# Altium PCB PM12_CFD.PcbDoc (part 10 of 12) (continued)
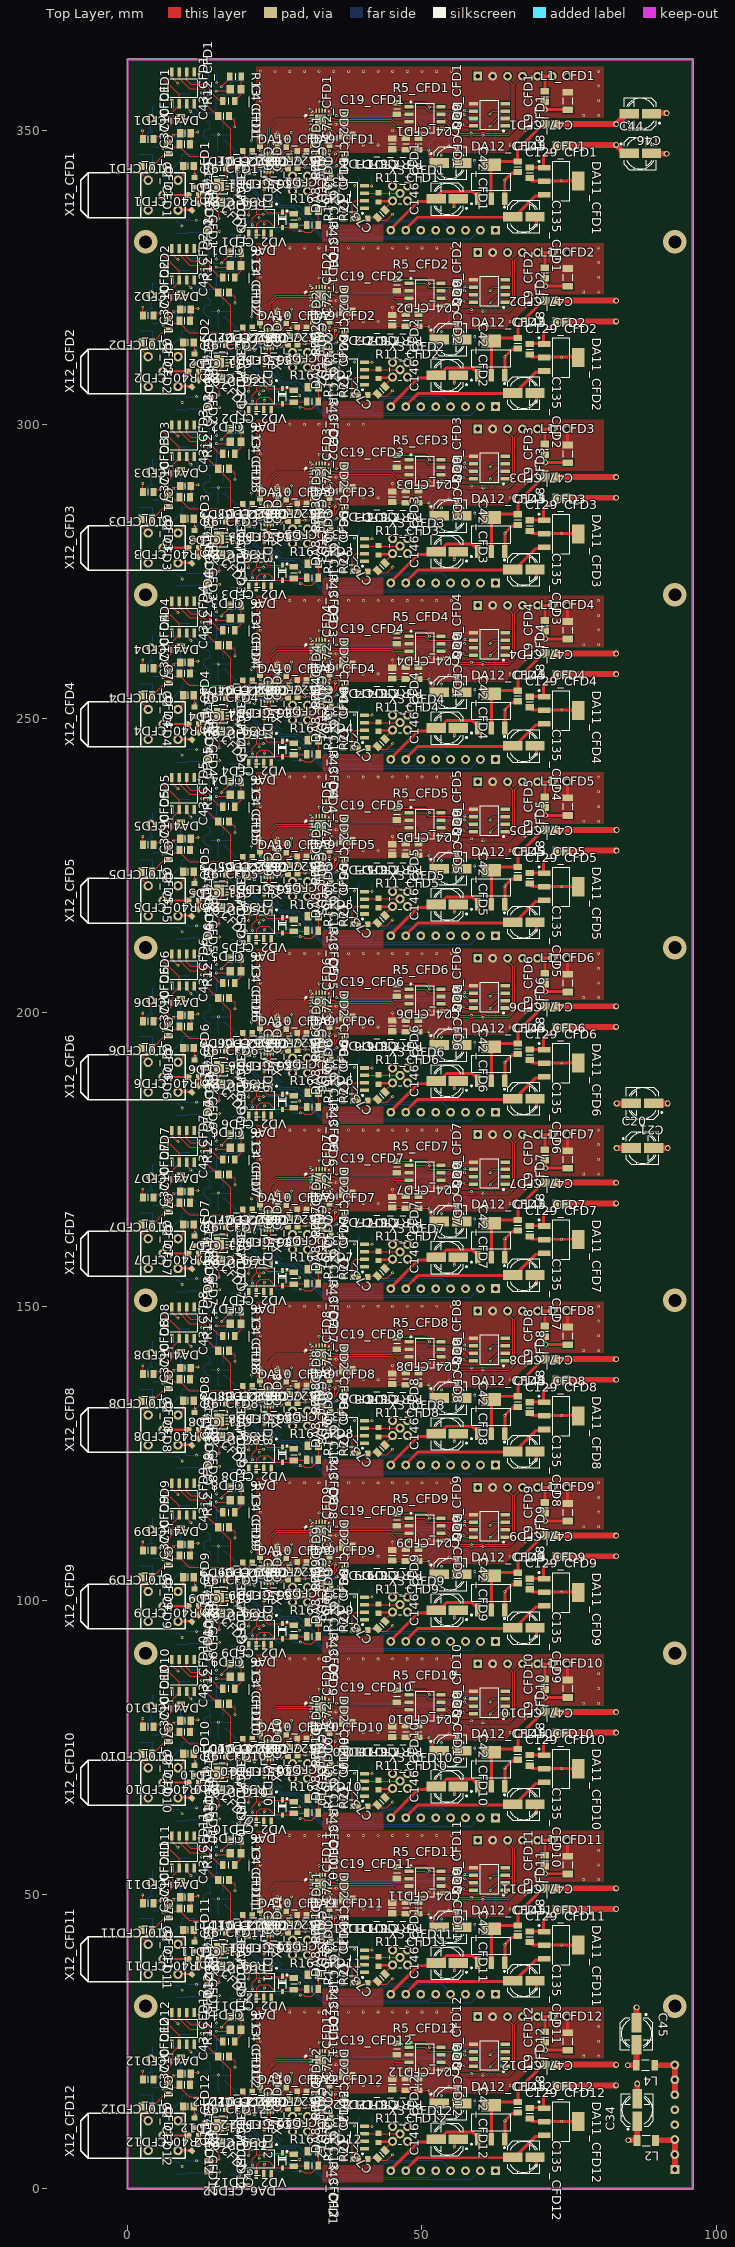
[diagram p0: Top Layer view]
## Nets (pads, with @x,y where several pads share a name; then routed paths per layer and width w, separated by ;. In a path a pad name is that pad's centre, name@x,y a point inside that pad or via, vN(x,y) a via of type N, cw(c..) or ccw(c..) an arc to the next point about the centre after c; other vN are vias at no path point) (continued)
  Bottom Layer w0.2: DA3_CFD4.5@16.2,258.3 16.48,258.3 18.4,256.38 v1(18.4,253.6) v1(18.4,249.9)
P2V5_CFD5: C3_CFD5.2 C7_CFD5.2 DA3_CFD5.5 DA7_CFD5.6 DA7_CFD5.8 | length 14.9
  Top Layer w0.2: DA7_CFD5.6@16.9,220.45 17.35,220.45 17.9,219.9 v1(18.4,219.9) ; DA7_CFD5.8@16.9,221.45 16.9,223.6 17,223.7 17.1,223.6 v1(18.4,223.6)
  Bottom Layer w0.2: DA3_CFD5.5@16.2,228.3 16.48,228.3 18.4,226.38 v1(18.4,223.6) v1(18.4,219.9)
P2V5_CFD6: C3_CFD6.2 C7_CFD6.2 DA3_CFD6.5 DA7_CFD6.6 DA7_CFD6.8 | length 14.9
  Top Layer w0.2: DA7_CFD6.6@16.9,190.45 17.35,190.45 17.9,189.9 v1(18.4,189.9) ; DA7_CFD6.8@16.9,191.45 16.9,193.6 17,193.7 17.1,193.6 v1(18.4,193.6)
  Bottom Layer w0.2: DA3_CFD6.5@16.2,198.3 16.48,198.3 18.4,196.38 v1(18.4,193.6) v1(18.4,189.9)
P2V5_CFD7: C3_CFD7.2 C7_CFD7.2 DA3_CFD7.5 DA7_CFD7.6 DA7_CFD7.8 | length 14.9
  Top Layer w0.2: DA7_CFD7.6@16.9,160.45 17.35,160.45 17.9,159.9 v1(18.4,159.9) ; DA7_CFD7.8@16.9,161.45 16.9,163.6 17,163.7 17.1,163.6 v1(18.4,163.6)
  Bottom Layer w0.2: DA3_CFD7.5@16.2,168.3 16.48,168.3 18.4,166.38 v1(18.4,163.6) v1(18.4,159.9)
P2V5_CFD8: C3_CFD8.2 C7_CFD8.2 DA3_CFD8.5 DA7_CFD8.6 DA7_CFD8.8 | length 14.9
  Top Layer w0.2: DA7_CFD8.6@16.9,130.45 17.35,130.45 17.9,129.9 v1(18.4,129.9) ; DA7_CFD8.8@16.9,131.45 16.9,133.6 17,133.7 17.1,133.6 v1(18.4,133.6)
  Bottom Layer w0.2: DA3_CFD8.5@16.2,138.3 16.48,138.3 18.4,136.38 v1(18.4,133.6) v1(18.4,129.9)
P2V5_CFD9: C3_CFD9.2 C7_CFD9.2 DA3_CFD9.5 DA7_CFD9.6 DA7_CFD9.8 | length 14.9
  Top Layer w0.2: DA7_CFD9.6@16.9,100.45 17.35,100.45 17.9,99.9 v1(18.4,99.9) ; DA7_CFD9.8@16.9,101.45 16.9,103.6 17,103.7 17.1,103.6 v1(18.4,103.6)
  Bottom Layer w0.2: DA3_CFD9.5@16.2,108.3 16.48,108.3 18.4,106.38 v1(18.4,103.6) v1(18.4,99.9)
P2V5_CFD10: C3_CFD10.2 C7_CFD10.2 DA3_CFD10.5 DA7_CFD10.6 DA7_CFD10.8 | length 14.9
  Top Layer w0.2: DA7_CFD10.6@16.9,70.45 17.35,70.45 17.9,69.9 v1(18.4,69.9) ; DA7_CFD10.8@16.9,71.45 16.9,73.6 17,73.7 17.1,73.6 v1(18.4,73.6)
  Bottom Layer w0.2: DA3_CFD10.5@16.2,78.3 16.48,78.3 18.4,76.38 v1(18.4,73.6) v1(18.4,69.9)
P2V5_CFD11: C3_CFD11.2 C7_CFD11.2 DA3_CFD11.5 DA7_CFD11.6 DA7_CFD11.8 | length 14.9
  Top Layer w0.2: DA7_CFD11.6@16.9,40.45 17.35,40.45 17.9,39.9 v1(18.4,39.9) ; DA7_CFD11.8@16.9,41.45 16.9,43.6 17,43.7 17.1,43.6 v1(18.4,43.6)
  Bottom Layer w0.2: DA3_CFD11.5@16.2,48.3 16.48,48.3 18.4,46.38 v1(18.4,43.6) v1(18.4,39.9)
P2V5_CFD12: C3_CFD12.2 C7_CFD12.2 DA3_CFD12.5 DA7_CFD12.6 DA7_CFD12.8 | length 14.9
  Top Layer w0.2: DA7_CFD12.6@16.9,10.45 17.35,10.45 17.9,9.9 v1(18.4,9.9) ; DA7_CFD12.8@16.9,11.45 16.9,13.6 17,13.7 17.1,13.6 v1(18.4,13.6)
  Bottom Layer w0.2: DA3_CFD12.5@16.2,18.3 16.48,18.3 18.4,16.38 v1(18.4,13.6) v1(18.4,9.9)
P3V3_CFD1: C19_CFD1.2 C22_CFD1.1 C23_CFD1.2 C24_CFD1.2 C25_CFD1.2 C26_CFD1.2 C27_CFD1.2 C29_CFD1.2 C32_CFD1.2 C47_CFD1.2 DA9_CFD1.9 DA9_CFD1.12 DA10_CFD1.9 DA10_CFD1.12 DA13_CFD1.4 DD2_CFD1.12 DD8_CFD1.8 DD9_CFD1.8 L1_CFD1.1 R5_CFD1.2 R20_CFD1.1 R29_CFD1.1 | length 36.8
  Top Layer w0.2: C23_CFD1.2@22.47,347.424 v1(22.47,346.55) 23.02,346 DA10_CFD1.12@23.22,346 ; DA10_CFD1.9@24.72,346 25.22,346.5 v1(25.37,346.5) C32_CFD1.2@25.37,347.05 ; C27_CFD1.2@31.37,347.4 v1(31.37,346.5) 31.87,346 DA9_CFD1.12@32.07,346 ; DA9_CFD1.9@33.57,346 33.77,346 v1(34.27,346.5) C25_CFD1.2@34.27,347.424 ; DD2_CFD1.12@34.27,352.53 v1@35.39,352.53 ; v1(35.42,352.5) 36.582,352.5 C19_CFD1.2@36.8,352.718 ; R5_CFD1.2@45.67,354.7 50.512,354.7 v1(51.255,353.956) DD8_CFD1.8@52.985,353.956 ; C24_CFD1.2@55.77,352.3 55.77,352.2 v1(56.97,351) 57.27,350.7 58.928,350.7 DD9_CFD1.8@58.955,350.727
  Top Layer w0.5: L1_CFD1.1@70.9,354.7 70.93,354.67 70.9,354.64 v2(70.9,353.5) C47_CFD1.2@74.7,353.5
  Bottom Layer w0.2: R20_CFD1.1@34.02,347.6 34.02,346.75 v1(34.27,346.5) ; C26_CFD1.2@49.685,353.286 50.585,353.286 v1(51.255,353.956)
  Bottom Layer w0.25: R29_CFD1.1@51.27,342.4 52.67,343.8 DA13_CFD1.4@53.274,343.8 ; C29_CFD1.2@53.274,341.6 DA13_CFD1.4@53.274,343.8 ; v1(53.274,345.8) DA13_CFD1.4@53.274,343.8 ; C22_CFD1.1@58.955,343.95 v1(58.955,344.9)
P3V3_CFD2: C19_CFD2.2 C22_CFD2.1 C23_CFD2.2 C24_CFD2.2 C25_CFD2.2 C26_CFD2.2 C27_CFD2.2 C29_CFD2.2 C32_CFD2.2 C47_CFD2.2 DA9_CFD2.9 DA9_CFD2.12 DA10_CFD2.9 DA10_CFD2.12 DA13_CFD2.4 DD2_CFD2.12 DD8_CFD2.8 DD9_CFD2.8 L1_CFD2.1 R5_CFD2.2 R20_CFD2.1 R29_CFD2.1 | length 36.8
  Top Layer w0.2: C23_CFD2.2@22.5,317.424 v1(22.5,316.55) 23.05,316 DA10_CFD2.12@23.25,316 ; DA10_CFD2.9@24.75,316 25.25,316.5 v1(25.4,316.5) C32_CFD2.2@25.4,317.05 ; C27_CFD2.2@31.4,317.4 v1(31.4,316.5) 31.9,316 DA9_CFD2.12@32.1,316 ; DA9_CFD2.9@33.6,316 33.8,316 v1(34.3,316.5) C25_CFD2.2@34.3,317.424 ; DD2_CFD2.12@34.3,322.53 v1@35.42,322.53 ; v1(35.45,322.5) 36.612,322.5 C19_CFD2.2@36.83,322.718 ; R5_CFD2.2@45.7,324.7 50.542,324.7 v1(51.285,323.956) DD8_CFD2.8@53.015,323.956 ; C24_CFD2.2@55.8,322.3 55.8,322.2 v1(57,321) 57.3,320.7 58.958,320.7 DD9_CFD2.8@58.985,320.727
  Top Layer w0.5: L1_CFD2.1@70.93,324.7 70.96,324.67 70.93,324.64 v2(70.93,323.5) C47_CFD2.2@74.73,323.5
  Bottom Layer w0.2: R20_CFD2.1@34.05,317.6 34.05,316.75 v1(34.3,316.5) ; C26_CFD2.2@49.715,323.286 50.615,323.286 v1(51.285,323.956)
  Bottom Layer w0.25: R29_CFD2.1@51.3,312.4 52.7,313.8 DA13_CFD2.4@53.304,313.8 ; C29_CFD2.2@53.304,311.6 DA13_CFD2.4@53.304,313.8 ; v1(53.304,315.8) DA13_CFD2.4@53.304,313.8 ; C22_CFD2.1@58.985,313.95 v1(58.985,314.9)
  other v5: 70.93,323.5
P3V3_CFD3: C19_CFD3.2 C22_CFD3.1 C23_CFD3.2 C24_CFD3.2 C25_CFD3.2 C26_CFD3.2 C27_CFD3.2 C29_CFD3.2 C32_CFD3.2 C47_CFD3.2 DA9_CFD3.9 DA9_CFD3.12 DA10_CFD3.9 DA10_CFD3.12 DA13_CFD3.4 DD2_CFD3.12 DD8_CFD3.8 DD9_CFD3.8 L1_CFD3.1 R5_CFD3.2 R20_CFD3.1 R29_CFD3.1 | length 36.8
  Top Layer w0.2: C23_CFD3.2@22.5,287.424 v1(22.5,286.55) 23.05,286 DA10_CFD3.12@23.25,286 ; DA10_CFD3.9@24.75,286 25.25,286.5 v1(25.4,286.5) C32_CFD3.2@25.4,287.05 ; C27_CFD3.2@31.4,287.4 v1(31.4,286.5) 31.9,286 DA9_CFD3.12@32.1,286 ; DA9_CFD3.9@33.6,286 33.8,286 v1(34.3,286.5) C25_CFD3.2@34.3,287.424 ; DD2_CFD3.12@34.3,292.53 v1@35.42,292.53 ; v1(35.45,292.5) 36.612,292.5 C19_CFD3.2@36.83,292.718 ; R5_CFD3.2@45.7,294.7 50.542,294.7 v1(51.285,293.956) DD8_CFD3.8@53.015,293.956 ; C24_CFD3.2@55.8,292.3 55.8,292.2 v1(57,291) 57.3,290.7 58.958,290.7 DD9_CFD3.8@58.985,290.727
  Top Layer w0.5: L1_CFD3.1@70.93,294.7 70.96,294.67 70.93,294.64 v2(70.93,293.5) C47_CFD3.2@74.73,293.5
  Bottom Layer w0.2: R20_CFD3.1@34.05,287.6 34.05,286.75 v1(34.3,286.5) ; C26_CFD3.2@49.715,293.286 50.615,293.286 v1(51.285,293.956)
  Bottom Layer w0.25: R29_CFD3.1@51.3,282.4 52.7,283.8 DA13_CFD3.4@53.304,283.8 ; C29_CFD3.2@53.304,281.6 DA13_CFD3.4@53.304,283.8 ; v1(53.304,285.8) DA13_CFD3.4@53.304,283.8 ; C22_CFD3.1@58.985,283.95 v1(58.985,284.9)
P3V3_CFD4: C19_CFD4.2 C22_CFD4.1 C23_CFD4.2 C24_CFD4.2 C25_CFD4.2 C26_CFD4.2 C27_CFD4.2 C29_CFD4.2 C32_CFD4.2 C47_CFD4.2 DA9_CFD4.9 DA9_CFD4.12 DA10_CFD4.9 DA10_CFD4.12 DA13_CFD4.4 DD2_CFD4.12 DD8_CFD4.8 DD9_CFD4.8 L1_CFD4.1 R5_CFD4.2 R20_CFD4.1 R29_CFD4.1 | length 36.8
  Top Layer w0.2: C23_CFD4.2@22.5,257.424 v1(22.5,256.55) 23.05,256 DA10_CFD4.12@23.25,256 ; DA10_CFD4.9@24.75,256 25.25,256.5 v1(25.4,256.5) C32_CFD4.2@25.4,257.05 ; C27_CFD4.2@31.4,257.4 v1(31.4,256.5) 31.9,256 DA9_CFD4.12@32.1,256 ; DA9_CFD4.9@33.6,256 33.8,256 v1(34.3,256.5) C25_CFD4.2@34.3,257.424 ; DD2_CFD4.12@34.3,262.53 v1@35.42,262.53 ; v1(35.45,262.5) 36.612,262.5 C19_CFD4.2@36.83,262.718 ; R5_CFD4.2@45.7,264.7 50.542,264.7 v1(51.285,263.956) DD8_CFD4.8@53.015,263.956 ; C24_CFD4.2@55.8,262.3 55.8,262.2 v1(57,261) 57.3,260.7 58.958,260.7 DD9_CFD4.8@58.985,260.727
  Top Layer w0.5: L1_CFD4.1@70.93,264.7 70.96,264.67 70.93,264.64 v2(70.93,263.5) C47_CFD4.2@74.73,263.5
  Bottom Layer w0.2: R20_CFD4.1@34.05,257.6 34.05,256.75 v1(34.3,256.5) ; C26_CFD4.2@49.715,263.286 50.615,263.286 v1(51.285,263.956)
  Bottom Layer w0.25: R29_CFD4.1@51.3,252.4 52.7,253.8 DA13_CFD4.4@53.304,253.8 ; C29_CFD4.2@53.304,251.6 DA13_CFD4.4@53.304,253.8 ; v1(53.304,255.8) DA13_CFD4.4@53.304,253.8 ; C22_CFD4.1@58.985,253.95 v1(58.985,254.9)
  other v5: 70.93,263.5
P3V3_CFD5: C19_CFD5.2 C22_CFD5.1 C23_CFD5.2 C24_CFD5.2 C25_CFD5.2 C26_CFD5.2 C27_CFD5.2 C29_CFD5.2 C32_CFD5.2 C47_CFD5.2 DA9_CFD5.9 DA9_CFD5.12 DA10_CFD5.9 DA10_CFD5.12 DA13_CFD5.4 DD2_CFD5.12 DD8_CFD5.8 DD9_CFD5.8 L1_CFD5.1 R5_CFD5.2 R20_CFD5.1 R29_CFD5.1 | length 36.8
  Top Layer w0.2: C23_CFD5.2@22.5,227.424 v1(22.5,226.55) 23.05,226 DA10_CFD5.12@23.25,226 ; DA10_CFD5.9@24.75,226 25.25,226.5 v1(25.4,226.5) C32_CFD5.2@25.4,227.05 ; C27_CFD5.2@31.4,227.4 v1(31.4,226.5) 31.9,226 DA9_CFD5.12@32.1,226 ; DA9_CFD5.9@33.6,226 33.8,226 v1(34.3,226.5) C25_CFD5.2@34.3,227.424 ; DD2_CFD5.12@34.3,232.53 v1@35.42,232.53 ; v1(35.45,232.5) 36.612,232.5 C19_CFD5.2@36.83,232.718 ; R5_CFD5.2@45.7,234.7 50.542,234.7 v1(51.285,233.956) DD8_CFD5.8@53.015,233.956 ; C24_CFD5.2@55.8,232.3 55.8,232.2 v1(57,231) 57.3,230.7 58.958,230.7 DD9_CFD5.8@58.985,230.727
  Top Layer w0.5: L1_CFD5.1@70.93,234.7 70.96,234.67 70.93,234.64 v2(70.93,233.5) C47_CFD5.2@74.73,233.5
  Bottom Layer w0.2: R20_CFD5.1@34.05,227.6 34.05,226.75 v1(34.3,226.5) ; C26_CFD5.2@49.715,233.286 50.615,233.286 v1(51.285,233.956)
  Bottom Layer w0.25: R29_CFD5.1@51.3,222.4 52.7,223.8 DA13_CFD5.4@53.304,223.8 ; C29_CFD5.2@53.304,221.6 DA13_CFD5.4@53.304,223.8 ; v1(53.304,225.8) DA13_CFD5.4@53.304,223.8 ; C22_CFD5.1@58.985,223.95 v1(58.985,224.9)
  other v5: 70.93,233.5
P3V3_CFD6: C19_CFD6.2 C22_CFD6.1 C23_CFD6.2 C24_CFD6.2 C25_CFD6.2 C26_CFD6.2 C27_CFD6.2 C29_CFD6.2 C32_CFD6.2 C47_CFD6.2 DA9_CFD6.9 DA9_CFD6.12 DA10_CFD6.9 DA10_CFD6.12 DA13_CFD6.4 DD2_CFD6.12 DD8_CFD6.8 DD9_CFD6.8 L1_CFD6.1 R5_CFD6.2 R20_CFD6.1 R29_CFD6.1 | length 36.8
  Top Layer w0.2: C23_CFD6.2@22.5,197.424 v1(22.5,196.55) 23.05,196 DA10_CFD6.12@23.25,196 ; DA10_CFD6.9@24.75,196 25.25,196.5 v1(25.4,196.5) C32_CFD6.2@25.4,197.05 ; C27_CFD6.2@31.4,197.4 v1(31.4,196.5) 31.9,196 DA9_CFD6.12@32.1,196 ; DA9_CFD6.9@33.6,196 33.8,196 v1(34.3,196.5) C25_CFD6.2@34.3,197.424 ; DD2_CFD6.12@34.3,202.53 v1@35.42,202.53 ; v1(35.45,202.5) 36.612,202.5 C19_CFD6.2@36.83,202.718 ; R5_CFD6.2@45.7,204.7 50.542,204.7 v1(51.285,203.956) DD8_CFD6.8@53.015,203.956 ; C24_CFD6.2@55.8,202.3 55.8,202.2 v1(57,201) 57.3,200.7 58.958,200.7 DD9_CFD6.8@58.985,200.727
  Top Layer w0.5: L1_CFD6.1@70.93,204.7 70.96,204.67 70.93,204.64 v2(70.93,203.5) C47_CFD6.2@74.73,203.5
  Bottom Layer w0.2: R20_CFD6.1@34.05,197.6 34.05,196.75 v1(34.3,196.5) ; C26_CFD6.2@49.715,203.286 50.615,203.286 v1(51.285,203.956)
  Bottom Layer w0.25: R29_CFD6.1@51.3,192.4 52.7,193.8 DA13_CFD6.4@53.304,193.8 ; C29_CFD6.2@53.304,191.6 DA13_CFD6.4@53.304,193.8 ; v1(53.304,195.8) DA13_CFD6.4@53.304,193.8 ; C22_CFD6.1@58.985,193.95 v1(58.985,194.9)
  other v5: 70.93,203.5
P3V3_CFD7: C19_CFD7.2 C22_CFD7.1 C23_CFD7.2 C24_CFD7.2 C25_CFD7.2 C26_CFD7.2 C27_CFD7.2 C29_CFD7.2 C32_CFD7.2 C47_CFD7.2 DA9_CFD7.9 DA9_CFD7.12 DA10_CFD7.9 DA10_CFD7.12 DA13_CFD7.4 DD2_CFD7.12 DD8_CFD7.8 DD9_CFD7.8 L1_CFD7.1 R5_CFD7.2 R20_CFD7.1 R29_CFD7.1 | length 36.8
  Top Layer w0.2: C23_CFD7.2@22.5,167.424 v1(22.5,166.55) 23.05,166 DA10_CFD7.12@23.25,166 ; DA10_CFD7.9@24.75,166 25.25,166.5 v1(25.4,166.5) C32_CFD7.2@25.4,167.05 ; C27_CFD7.2@31.4,167.4 v1(31.4,166.5) 31.9,166 DA9_CFD7.12@32.1,166 ; DA9_CFD7.9@33.6,166 33.8,166 v1(34.3,166.5) C25_CFD7.2@34.3,167.424 ; DD2_CFD7.12@34.3,172.53 v1@35.42,172.53 ; v1(35.45,172.5) 36.612,172.5 C19_CFD7.2@36.83,172.718 ; R5_CFD7.2@45.7,174.7 50.542,174.7 v1(51.285,173.956) DD8_CFD7.8@53.015,173.956 ; C24_CFD7.2@55.8,172.3 55.8,172.2 v1(57,171) 57.3,170.7 58.958,170.7 DD9_CFD7.8@58.985,170.727
  Top Layer w0.5: L1_CFD7.1@70.93,174.7 70.96,174.67 70.93,174.64 v5(70.93,173.5) C47_CFD7.2@74.73,173.5
  Bottom Layer w0.2: R20_CFD7.1@34.05,167.6 34.05,166.75 v1(34.3,166.5) ; C26_CFD7.2@49.715,173.286 50.615,173.286 v1(51.285,173.956)
  Bottom Layer w0.25: R29_CFD7.1@51.3,162.4 52.7,163.8 DA13_CFD7.4@53.304,163.8 ; C29_CFD7.2@53.304,161.6 DA13_CFD7.4@53.304,163.8 ; v1(53.304,165.8) DA13_CFD7.4@53.304,163.8 ; C22_CFD7.1@58.985,163.95 v1(58.985,164.9)
  other v2: 70.93,173.5
P3V3_CFD8: C19_CFD8.2 C22_CFD8.1 C23_CFD8.2 C24_CFD8.2 C25_CFD8.2 C26_CFD8.2 C27_CFD8.2 C29_CFD8.2 C32_CFD8.2 C47_CFD8.2 DA9_CFD8.9 DA9_CFD8.12 DA10_CFD8.9 DA10_CFD8.12 DA13_CFD8.4 DD2_CFD8.12 DD8_CFD8.8 DD9_CFD8.8 L1_CFD8.1 R5_CFD8.2 R20_CFD8.1 R29_CFD8.1 | length 36.8
  Top Layer w0.2: C23_CFD8.2@22.5,137.424 v1(22.5,136.55) 23.05,136 DA10_CFD8.12@23.25,136 ; DA10_CFD8.9@24.75,136 25.25,136.5 v1(25.4,136.5) C32_CFD8.2@25.4,137.05 ; C27_CFD8.2@31.4,137.4 v1(31.4,136.5) 31.9,136 DA9_CFD8.12@32.1,136 ; DA9_CFD8.9@33.6,136 33.8,136 v1(34.3,136.5) C25_CFD8.2@34.3,137.424 ; DD2_CFD8.12@34.3,142.53 v1@35.42,142.53 ; v1(35.45,142.5) 36.612,142.5 C19_CFD8.2@36.83,142.718 ; R5_CFD8.2@45.7,144.7 50.542,144.7 v1(51.285,143.956) DD8_CFD8.8@53.015,143.956 ; C24_CFD8.2@55.8,142.3 55.8,142.2 v1(57,141) 57.3,140.7 58.958,140.7 DD9_CFD8.8@58.985,140.727
  Top Layer w0.5: L1_CFD8.1@70.93,144.7 70.96,144.67 70.93,144.64 v2(70.93,143.5) C47_CFD8.2@74.73,143.5
  Bottom Layer w0.2: R20_CFD8.1@34.05,137.6 34.05,136.75 v1(34.3,136.5) ; C26_CFD8.2@49.715,143.286 50.615,143.286 v1(51.285,143.956)
  Bottom Layer w0.25: R29_CFD8.1@51.3,132.4 52.7,133.8 DA13_CFD8.4@53.304,133.8 ; C29_CFD8.2@53.304,131.6 DA13_CFD8.4@53.304,133.8 ; v1(53.304,135.8) DA13_CFD8.4@53.304,133.8 ; C22_CFD8.1@58.985,133.95 v1(58.985,134.9)
  other v5: 70.93,143.5
P3V3_CFD9: C19_CFD9.2 C22_CFD9.1 C23_CFD9.2 C24_CFD9.2 C25_CFD9.2 C26_CFD9.2 C27_CFD9.2 C29_CFD9.2 C32_CFD9.2 C47_CFD9.2 DA9_CFD9.9 DA9_CFD9.12 DA10_CFD9.9 DA10_CFD9.12 DA13_CFD9.4 DD2_CFD9.12 DD8_CFD9.8 DD9_CFD9.8 L1_CFD9.1 R5_CFD9.2 R20_CFD9.1 R29_CFD9.1 | length 36.8
  Top Layer w0.2: C23_CFD9.2@22.5,107.424 v1(22.5,106.55) 23.05,106 DA10_CFD9.12@23.25,106 ; DA10_CFD9.9@24.75,106 25.25,106.5 v1(25.4,106.5) C32_CFD9.2@25.4,107.05 ; C27_CFD9.2@31.4,107.4 v1(31.4,106.5) 31.9,106 DA9_CFD9.12@32.1,106 ; DA9_CFD9.9@33.6,106 33.8,106 v1(34.3,106.5) C25_CFD9.2@34.3,107.424 ; DD2_CFD9.12@34.3,112.53 v1@35.42,112.53 ; v1(35.45,112.5) 36.612,112.5 C19_CFD9.2@36.83,112.718 ; R5_CFD9.2@45.7,114.7 50.542,114.7 v1(51.285,113.956) DD8_CFD9.8@53.015,113.956 ; C24_CFD9.2@55.8,112.3 55.8,112.2 v1(57,111) 57.3,110.7 58.958,110.7 DD9_CFD9.8@58.985,110.727
  Top Layer w0.5: L1_CFD9.1@70.93,114.7 70.96,114.67 70.93,114.64 v2(70.93,113.5) C47_CFD9.2@74.73,113.5
  Bottom Layer w0.2: R20_CFD9.1@34.05,107.6 34.05,106.75 v1(34.3,106.5) ; C26_CFD9.2@49.715,113.286 50.615,113.286 v1(51.285,113.956)
  Bottom Layer w0.25: R29_CFD9.1@51.3,102.4 52.7,103.8 DA13_CFD9.4@53.304,103.8 ; C29_CFD9.2@53.304,101.6 DA13_CFD9.4@53.304,103.8 ; v1(53.304,105.8) DA13_CFD9.4@53.304,103.8 ; C22_CFD9.1@58.985,103.95 v1(58.985,104.9)
  other v5: 70.93,113.5
P3V3_CFD10: C19_CFD10.2 C22_CFD10.1 C23_CFD10.2 C24_CFD10.2 C25_CFD10.2 C26_CFD10.2 C27_CFD10.2 C29_CFD10.2 C32_CFD10.2 C47_CFD10.2 DA9_CFD10.9 DA9_CFD10.12 DA10_CFD10.9 DA10_CFD10.12 DA13_CFD10.4 DD2_CFD10.12 DD8_CFD10.8 DD9_CFD10.8 L1_CFD10.1 R5_CFD10.2 R20_CFD10.1 R29_CFD10.1 | length 36.8
  Top Layer w0.2: C23_CFD10.2@22.5,77.424 v1(22.5,76.55) 23.05,76 DA10_CFD10.12@23.25,76 ; DA10_CFD10.9@24.75,76 25.25,76.5 v1(25.4,76.5) C32_CFD10.2@25.4,77.05 ; C27_CFD10.2@31.4,77.4 v1(31.4,76.5) 31.9,76 DA9_CFD10.12@32.1,76 ; DA9_CFD10.9@33.6,76 33.8,76 v1(34.3,76.5) C25_CFD10.2@34.3,77.424 ; DD2_CFD10.12@34.3,82.53 v1@35.42,82.53 ; v1(35.45,82.5) 36.612,82.5 C19_CFD10.2@36.83,82.718 ; R5_CFD10.2@45.7,84.7 50.542,84.7 v1(51.285,83.956) DD8_CFD10.8@53.015,83.956 ; C24_CFD10.2@55.8,82.3 55.8,82.2 v1(57,81) 57.3,80.7 58.958,80.7 DD9_CFD10.8@58.985,80.727
  Top Layer w0.5: L1_CFD10.1@70.93,84.7 70.96,84.67 70.93,84.64 v2(70.93,83.5) C47_CFD10.2@74.73,83.5
  Bottom Layer w0.2: R20_CFD10.1@34.05,77.6 34.05,76.75 v1(34.3,76.5) ; C26_CFD10.2@49.715,83.286 50.615,83.286 v1(51.285,83.956)
  Bottom Layer w0.25: R29_CFD10.1@51.3,72.4 52.7,73.8 DA13_CFD10.4@53.304,73.8 ; C29_CFD10.2@53.304,71.6 DA13_CFD10.4@53.304,73.8 ; v1(53.304,75.8) DA13_CFD10.4@53.304,73.8 ; C22_CFD10.1@58.985,73.95 v1(58.985,74.9)
  other v5: 70.93,83.5
P3V3_CFD11: C19_CFD11.2 C22_CFD11.1 C23_CFD11.2 C24_CFD11.2 C25_CFD11.2 C26_CFD11.2 C27_CFD11.2 C29_CFD11.2 C32_CFD11.2 C47_CFD11.2 DA9_CFD11.9 DA9_CFD11.12 DA10_CFD11.9 DA10_CFD11.12 DA13_CFD11.4 DD2_CFD11.12 DD8_CFD11.8 DD9_CFD11.8 L1_CFD11.1 R5_CFD11.2 R20_CFD11.1 R29_CFD11.1 | length 36.8
  Top Layer w0.2: C23_CFD11.2@22.5,47.424 v1(22.5,46.55) 23.05,46 DA10_CFD11.12@23.25,46 ; DA10_CFD11.9@24.75,46 25.25,46.5 v1(25.4,46.5) C32_CFD11.2@25.4,47.05 ; C27_CFD11.2@31.4,47.4 v1(31.4,46.5) 31.9,46 DA9_CFD11.12@32.1,46 ; DA9_CFD11.9@33.6,46 33.8,46 v1(34.3,46.5) C25_CFD11.2@34.3,47.424 ; DD2_CFD11.12@34.3,52.53 v1@35.42,52.53 ; v1(35.45,52.5) 36.612,52.5 C19_CFD11.2@36.83,52.718 ; R5_CFD11.2@45.7,54.7 50.542,54.7 v1(51.285,53.956) DD8_CFD11.8@53.015,53.956 ; C24_CFD11.2@55.8,52.3 55.8,52.2 v1(57,51) 57.3,50.7 58.958,50.7 DD9_CFD11.8@58.985,50.727
  Top Layer w0.5: L1_CFD11.1@70.93,54.7 70.96,54.67 70.93,54.64 v2(70.93,53.5) C47_CFD11.2@74.73,53.5
  Bottom Layer w0.2: R20_CFD11.1@34.05,47.6 34.05,46.75 v1(34.3,46.5) ; C26_CFD11.2@49.715,53.286 50.615,53.286 v1(51.285,53.956)
  Bottom Layer w0.25: R29_CFD11.1@51.3,42.4 52.7,43.8 DA13_CFD11.4@53.304,43.8 ; C29_CFD11.2@53.304,41.6 DA13_CFD11.4@53.304,43.8 ; v1(53.304,45.8) DA13_CFD11.4@53.304,43.8 ; C22_CFD11.1@58.985,43.95 v1(58.985,44.9)
  other v5: 70.93,53.5
P3V3_CFD12: C19_CFD12.2 C22_CFD12.1 C23_CFD12.2 C24_CFD12.2 C25_CFD12.2 C26_CFD12.2 C27_CFD12.2 C29_CFD12.2 C32_CFD12.2 C47_CFD12.2 DA9_CFD12.9 DA9_CFD12.12 DA10_CFD12.9 DA10_CFD12.12 DA13_CFD12.4 DD2_CFD12.12 DD8_CFD12.8 DD9_CFD12.8 L1_CFD12.1 R5_CFD12.2 R20_CFD12.1 R29_CFD12.1 | length 36.8
  Top Layer w0.2: C23_CFD12.2@22.5,17.424 v1(22.5,16.55) 23.05,16 DA10_CFD12.12@23.25,16 ; DA10_CFD12.9@24.75,16 25.25,16.5 v1(25.4,16.5) C32_CFD12.2@25.4,17.05 ; C27_CFD12.2@31.4,17.4 v1(31.4,16.5) 31.9,16 DA9_CFD12.12@32.1,16 ; DA9_CFD12.9@33.6,16 33.8,16 v1(34.3,16.5) C25_CFD12.2@34.3,17.424 ; DD2_CFD12.12@34.3,22.53 v1@35.42,22.53 ; v1(35.45,22.5) 36.612,22.5 C19_CFD12.2@36.83,22.718 ; R5_CFD12.2@45.7,24.7 50.542,24.7 v1(51.285,23.956) DD8_CFD12.8@53.015,23.956 ; C24_CFD12.2@55.8,22.3 55.8,22.2 v1(57,21) 57.3,20.7 58.958,20.7 DD9_CFD12.8@58.985,20.727
  Top Layer w0.5: L1_CFD12.1@70.93,24.7 70.96,24.67 70.93,24.64 v5(70.93,23.5) C47_CFD12.2@74.73,23.5
  Bottom Layer w0.2: R20_CFD12.1@34.05,17.6 34.05,16.75 v1(34.3,16.5) ; C26_CFD12.2@49.715,23.286 50.615,23.286 v1(51.285,23.956)
  Bottom Layer w0.25: R29_CFD12.1@51.3,12.4 52.7,13.8 DA13_CFD12.4@53.304,13.8 ; C29_CFD12.2@53.304,11.6 DA13_CFD12.4@53.304,13.8 ; v1(53.304,15.8) DA13_CFD12.4@53.304,13.8 ; C22_CFD12.1@58.985,13.95 v1(58.985,14.9)
  other v2: 70.93,23.5
P5V0_CFD1: C30_CFD1.2 C71_CFD1.2 C135_CFD1.1 DA2_CFD1.3 DA4_CFD1.7 DA5_CFD1.7 DA6_CFD1.7 DA8_CFD1.7 DA11_CFD1.3 DA20_CFD1.7 L5_CFD1.1 L7_CFD1.1 pad.1@15.04,359.7 pad.1@23.17,332.3 R25_CFD1.1 X5_CFD1.7 | length 43.8
  Top Layer w0.2: C71_CFD1.2@4.47,348.44 4.47,348.577 4.84,348.946 5.716,348.946 v1(5.77,349) ; DA4_CFD1.7@9.97,354.7 9.97,353.925 10.67,353.225 v1(10.67,353.2) ; pad.1@23.17,332.3 v1(23.17,334.1) ; v1(33.07,338) DA8_CFD1.7@34.97,338
  Top Layer w0.5: X5_CFD1.7@47.23,333.2 49.23,335.2 65.67,335.2 69.32,338.85 70.42,338.85 DA11_CFD1.3@70.67,339.1
  Bottom Layer w0.2: DA2_CFD1.3@4.17,348.44 4.92,348.44 5.426,348.946 5.716,348.946 v1(5.77,349) ; v1(10.67,353.2) 11.4,352.47 R25_CFD1.1@11.4,351.7 ; v1(15.04,358.1) pad.1@15.04,359.7 ; L5_CFD1.1@20.477,342.55 21.473,342.55 v1(21.5,342.523) ; v1(22.3,335.17) 22.35,335.22 22.35,337.25 DA20_CFD1.7@22.4,337.3 ; v1(33.07,338) C30_CFD1.2@34.57,338 ; L7_CFD1.1@38.234,344 v1(39.1,344)
  other v3: 23.17,334.1
P5V0_CFD2: C30_CFD2.2 C71_CFD2.2 C135_CFD2.1 DA2_CFD2.3 DA4_CFD2.7 DA5_CFD2.7 DA6_CFD2.7 DA8_CFD2.7 DA11_CFD2.3 DA20_CFD2.7 L5_CFD2.1 L7_CFD2.1 R25_CFD2.1 X5_CFD2.7 | length 43.8
  Top Layer w0.2: C71_CFD2.2@4.5,318.44 4.5,318.577 4.87,318.946 5.746,318.946 v1(5.8,319) ; DA4_CFD2.7@10,324.7 10,323.925 10.7,323.225 v1(10.7,323.2) ; DA6_CFD2.7@23.2,302.3 v1(23.2,304.1) ; v1(33.1,308) DA8_CFD2.7@35,308
  Top Layer w0.5: X5_CFD2.7@47.26,303.2 49.26,305.2 65.7,305.2 69.35,308.85 70.45,308.85 DA11_CFD2.3@70.7,309.1
  Bottom Layer w0.2: DA2_CFD2.3@4.2,318.44 4.95,318.44 5.456,318.946 5.746,318.946 v1(5.8,319) ; v1(10.7,323.2) 11.43,322.47 R25_CFD2.1@11.43,321.7 ; v1(15.07,328.1) DA5_CFD2.7@15.07,329.7 ; L5_CFD2.1@20.507,312.55 21.503,312.55 v1(21.53,312.523) ; v1(22.33,305.17) 22.38,305.22 22.38,307.25 DA20_CFD2.7@22.43,307.3 ; v1(33.1,308) C30_CFD2.2@34.6,308 ; L7_CFD2.1@38.264,314 v1(39.13,314)
  other v3: 23.2,304.1
P5V0_CFD3: C30_CFD3.2 C71_CFD3.2 C135_CFD3.1 DA2_CFD3.3 DA4_CFD3.7 DA5_CFD3.7 DA6_CFD3.7 DA8_CFD3.7 DA11_CFD3.3 DA20_CFD3.7 L5_CFD3.1 L7_CFD3.1 pad.1@20.507,282.55 pad.1@38.264,284 R25_CFD3.1 X5_CFD3.7 | length 43.8
  Top Layer w0.2: C71_CFD3.2@4.5,288.44 4.5,288.577 4.869,288.946 5.746,288.946 v1(5.8,289) ; DA4_CFD3.7@10,294.7 10,293.925 10.7,293.225 v1(10.7,293.2) ; DA6_CFD3.7@23.2,272.3 v1(23.2,274.1) ; v1(33.1,278) DA8_CFD3.7@35,278
  Top Layer w0.5: X5_CFD3.7@47.26,273.2 49.26,275.2 65.7,275.2 69.35,278.85 70.45,278.85 DA11_CFD3.3@70.7,279.1
  Bottom Layer w0.2: DA2_CFD3.3@4.2,288.44 4.95,288.44 5.456,288.946 5.746,288.946 v1(5.8,289) ; v1(10.7,293.2) 11.43,292.47 R25_CFD3.1@11.43,291.7 ; v1(15.07,298.1) DA5_CFD3.7@15.07,299.7 ; pad.1@20.507,282.55 21.503,282.55 v1(21.53,282.523) ; v1(22.33,275.17) 22.38,275.22 22.38,277.25 DA20_CFD3.7@22.43,277.3 ; v1(33.1,278) C30_CFD3.2@34.6,278 ; pad.1@38.264,284 v1(39.13,284)
P5V0_CFD4: C30_CFD4.2 C71_CFD4.2 C135_CFD4.1 DA2_CFD4.3 DA4_CFD4.7 DA5_CFD4.7 DA6_CFD4.7 DA8_CFD4.7 DA11_CFD4.3 DA20_CFD4.7 L5_CFD4.1 L7_CFD4.1 R25_CFD4.1 X5_CFD4.7 | length 43.8
  Top Layer w0.2: C71_CFD4.2@4.5,258.44 4.5,258.577 4.869,258.946 5.746,258.946 v1(5.8,259) ; DA4_CFD4.7@10,264.7 10,263.925 10.7,263.225 v1(10.7,263.2) ; DA6_CFD4.7@23.2,242.3 v1(23.2,244.1) ; v1(33.1,248) DA8_CFD4.7@35,248
  Top Layer w0.5: X5_CFD4.7@47.26,243.2 49.26,245.2 65.7,245.2 69.35,248.85 70.45,248.85 DA11_CFD4.3@70.7,249.1
  Bottom Layer w0.2: DA2_CFD4.3@4.2,258.44 4.95,258.44 5.456,258.946 5.746,258.946 v1(5.8,259) ; v1(10.7,263.2) 11.43,262.47 R25_CFD4.1@11.43,261.7 ; v1(15.07,268.1) DA5_CFD4.7@15.07,269.7 ; L5_CFD4.1@20.507,252.55 21.503,252.55 v1(21.53,252.523) ; v1(22.33,245.17) 22.38,245.22 22.38,247.25 DA20_CFD4.7@22.43,247.3 ; v1(33.1,248) C30_CFD4.2@34.6,248 ; L7_CFD4.1@38.264,254 v1(39.13,254)
  other v3: 23.2,244.1
P5V0_CFD5: C30_CFD5.2 C71_CFD5.2 C135_CFD5.1 DA2_CFD5.3 DA4_CFD5.7 DA5_CFD5.7 DA6_CFD5.7 DA8_CFD5.7 DA11_CFD5.3 DA20_CFD5.7 L5_CFD5.1 L7_CFD5.1 R25_CFD5.1 X5_CFD5.7 | length 43.8
  Top Layer w0.2: C71_CFD5.2@4.5,228.44 4.5,228.577 4.869,228.946 5.746,228.946 v1(5.8,229) ; DA4_CFD5.7@10,234.7 10,233.925 10.7,233.225 v1(10.7,233.2) ; DA6_CFD5.7@23.2,212.3 v1(23.2,214.1) ; v1(33.1,218) DA8_CFD5.7@35,218
  Top Layer w0.5: X5_CFD5.7@47.26,213.2 49.26,215.2 65.7,215.2 69.35,218.85 70.45,218.85 DA11_CFD5.3@70.7,219.1
  Bottom Layer w0.2: DA2_CFD5.3@4.2,228.44 4.95,228.44 5.456,228.946 5.746,228.946 v1(5.8,229) ; v1(10.7,233.2) 11.43,232.47 R25_CFD5.1@11.43,231.7 ; v1(15.07,238.1) DA5_CFD5.7@15.07,239.7 ; L5_CFD5.1@20.507,222.55 21.503,222.55 v1(21.53,222.523) ; v1(22.33,215.17) 22.38,215.22 22.38,217.25 DA20_CFD5.7@22.43,217.3 ; v1(33.1,218) C30_CFD5.2@34.6,218 ; L7_CFD5.1@38.264,224 v1(39.13,224)
  other v3: 23.2,214.1
P5V0_CFD6: C30_CFD6.2 C71_CFD6.2 C135_CFD6.1 DA2_CFD6.3 DA4_CFD6.7 DA5_CFD6.7 DA6_CFD6.7 DA8_CFD6.7 DA11_CFD6.3 DA20_CFD6.7 L5_CFD6.1 L7_CFD6.1 R25_CFD6.1 X5_CFD6.7 | length 43.8
  Top Layer w0.2: C71_CFD6.2@4.5,198.44 4.5,198.577 4.869,198.946 5.746,198.946 v1(5.8,199) ; DA4_CFD6.7@10,204.7 10,203.925 10.7,203.225 v1(10.7,203.2) ; DA6_CFD6.7@23.2,182.3 v1(23.2,184.1) ; v1(33.1,188) DA8_CFD6.7@35,188
  Top Layer w0.5: X5_CFD6.7@47.26,183.2 49.26,185.2 65.7,185.2 69.35,188.85 70.45,188.85 DA11_CFD6.3@70.7,189.1
  Bottom Layer w0.2: DA2_CFD6.3@4.2,198.44 4.95,198.44 5.456,198.946 5.746,198.946 v1(5.8,199) ; v1(10.7,203.2) 11.43,202.47 R25_CFD6.1@11.43,201.7 ; v1(15.07,208.1) DA5_CFD6.7@15.07,209.7 ; L5_CFD6.1@20.507,192.55 21.503,192.55 v1(21.53,192.523) ; v1(22.33,185.17) 22.38,185.22 22.38,187.25 DA20_CFD6.7@22.43,187.3 ; v1(33.1,188) C30_CFD6.2@34.6,188 ; L7_CFD6.1@38.264,194 v1(39.13,194)
  other v3: 23.2,184.1
P5V0_CFD7: C30_CFD7.2 C71_CFD7.2 C135_CFD7.1 DA2_CFD7.3 DA4_CFD7.7 DA5_CFD7.7 DA6_CFD7.7 DA8_CFD7.7 DA11_CFD7.3 DA20_CFD7.7 L5_CFD7.1 L7_CFD7.1 R25_CFD7.1 X5_CFD7.7 | length 43.8
  Top Layer w0.2: C71_CFD7.2@4.5,168.44 4.5,168.577 4.869,168.946 5.746,168.946 v1(5.8,169) ; DA4_CFD7.7@10,174.7 10,173.925 10.7,173.225 v1(10.7,173.2) ; DA6_CFD7.7@23.2,152.3 v1(23.2,154.1) ; v1(33.1,158) DA8_CFD7.7@35,158
  Top Layer w0.5: X5_CFD7.7@47.26,153.2 49.26,155.2 65.7,155.2 69.35,158.85 70.45,158.85 DA11_CFD7.3@70.7,159.1
  Bottom Layer w0.2: DA2_CFD7.3@4.2,168.44 4.95,168.44 5.456,168.946 5.746,168.946 v1(5.8,169) ; v1(10.7,173.2) 11.43,172.47 R25_CFD7.1@11.43,171.7 ; v1(15.07,178.1) DA5_CFD7.7@15.07,179.7 ; L5_CFD7.1@20.507,162.55 21.503,162.55 v1(21.53,162.523) ; v1(22.33,155.17) 22.38,155.22 22.38,157.25 DA20_CFD7.7@22.43,157.3 ; v1(33.1,158) C30_CFD7.2@34.6,158 ; L7_CFD7.1@38.264,164 v1(39.13,164)
  other v3: 23.2,154.1
P5V0_CFD8: C30_CFD8.2 C71_CFD8.2 C135_CFD8.1 DA2_CFD8.3 DA4_CFD8.7 DA5_CFD8.7 DA6_CFD8.7 DA8_CFD8.7 DA11_CFD8.3 DA20_CFD8.7 L5_CFD8.1 L7_CFD8.1 R25_CFD8.1 X5_CFD8.7 | length 43.8
  Top Layer w0.2: C71_CFD8.2@4.5,138.44 4.5,138.577 4.869,138.946 5.746,138.946 v1(5.8,139) ; DA4_CFD8.7@10,144.7 10,143.925 10.7,143.225 v1(10.7,143.2) ; DA6_CFD8.7@23.2,122.3 v1(23.2,124.1) ; v1(33.1,128) DA8_CFD8.7@35,128
  Top Layer w0.5: X5_CFD8.7@47.26,123.2 49.26,125.2 65.7,125.2 69.35,128.85 70.45,128.85 DA11_CFD8.3@70.7,129.1
  Bottom Layer w0.2: DA2_CFD8.3@4.2,138.44 4.95,138.44 5.456,138.946 5.746,138.946 v1(5.8,139) ; v1(10.7,143.2) 11.43,142.47 R25_CFD8.1@11.43,141.7 ; v1(15.07,148.1) DA5_CFD8.7@15.07,149.7 ; L5_CFD8.1@20.507,132.55 21.503,132.55 v1(21.53,132.523) ; v1(22.33,125.17) 22.38,125.22 22.38,127.25 DA20_CFD8.7@22.43,127.3 ; v1(33.1,128) C30_CFD8.2@34.6,128 ; L7_CFD8.1@38.264,134 v1(39.13,134)
  other v3: 23.2,124.1